# Altium PCB RCJ22_motherboard_2_final.PcbDoc (part 3 of 4) (continued)
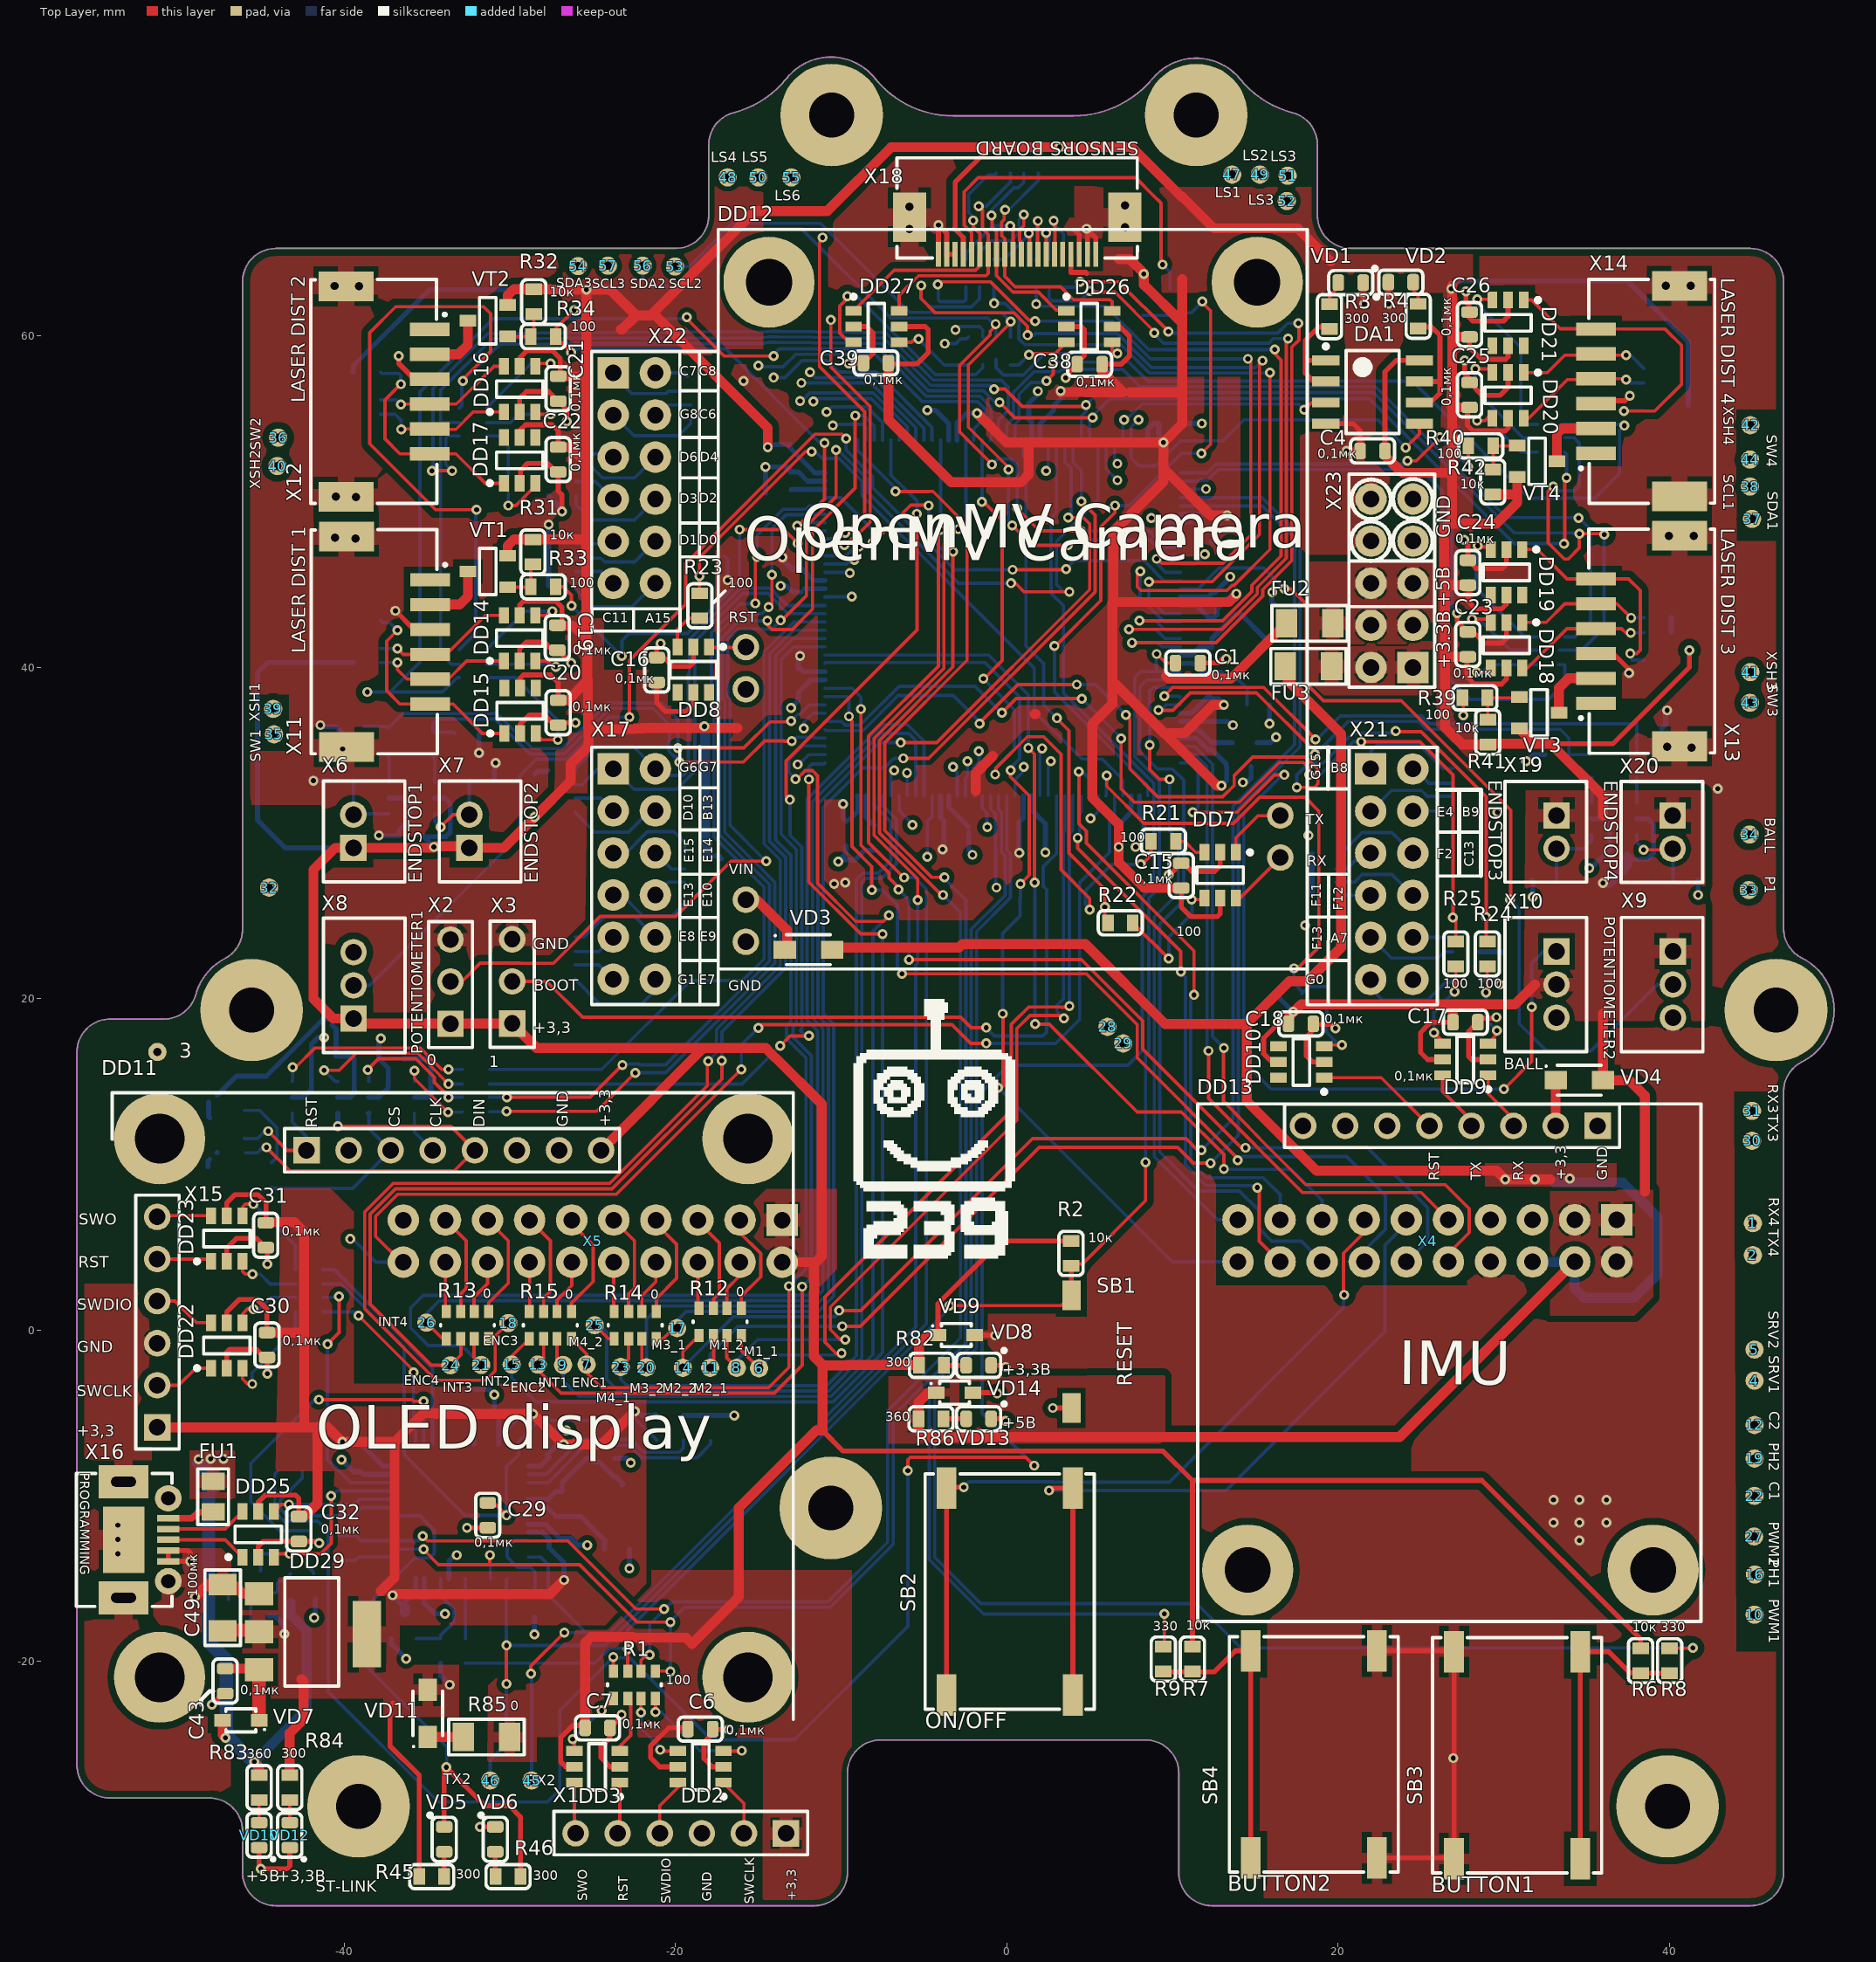
[diagram p0: Top Layer view]
## Nets (pads, with @x,y where several pads share a name; then routed paths per layer and width w, separated by ;. In a path a pad name is that pad's centre, name@x,y a point inside that pad or via, vN(x,y) a via of type N, cw(c..) or ccw(c..) an arc to the next point about the centre after c; other vN are vias at no path point) (continued)
MCU_SPI3_DISPLAY_CS: DD1.103 R20.3 | length 53.7
  Top Layer w0.2: v1(-30.175,14.05) -25.15,14.05 v1(-23.2,16) ; v1@-14.376,43.824 v1(-14.376,43.627) -14.176,43.827 v1(-14.176,45.575)
  Bottom Layer w0.2: R20.3@-31.2,14.05 v1(-30.175,14.05) ; v1(-23.2,16) -23.149,16.051 -22.208,16.051 -22.157,16 -20.585,16 -14.324,22.261 -14.324,26.886 -15.088,27.65 -15.102,27.65 -17.35,29.898 -17.35,30.315 -17.35,37.796 -17.499,37.945 -17.499,41.963 -16.234,43.227 -14.768,43.227 -14.376,43.62 v1(-14.376,43.627) ; v1(-14.176,45.575) -14.176,48.349 -13.325,49.2 -11.995,49.2 -11.97,49.225 DD1.103@-10.975,49.225
MCU_SPI3_DISPLAY_MOSI: DD1.113 R20.2 | length 61.1
  Top Layer w0.2: v1(-13.675,17.15) -13.075,17.75 v1(-11.946,17.75) ; v1(-13.09,32) -13.325,32.235 -13.325,34.335 -5.425,42.235 v1(-5.425,49.25)
  Bottom Layer w0.2: R20.2@-31.2,14.85 -15.975,14.85 v1(-13.675,17.15) ; v1(-13.09,32) -13.09,29.85 -12.374,29.134 -12.374,18.166 -12.469,18.071 -12.148,17.75 v1(-11.946,17.75) ; DD1.113@-7,53.7 -7,51.585 -6.54,51.125 -6.508,51.125 -5.425,50.042 v1(-5.425,49.25)
MCU_SPI3_DISPLAY_RESET: DD1.104 R20.1 | length 53.1
  Top Layer w0.2: v1(-15.176,43.852) -15.176,46.524 -15.075,46.624 v1@-15.101,46.65
  Bottom Layer w0.2: R20.1@-31.2,15.725 -24.45,15.725 -19.08,21.095 -15.949,21.095 -14.649,22.395 -14.649,26.724 -17.675,29.75 -17.675,37.662 -17.824,37.811 -17.824,42.097 -16.096,43.825 -15.325,43.825 -15.127,43.627 -15.075,43.679 -15.176,43.78 v1(-15.176,43.852) ; v1(-15.075,46.65) -15.075,47.95 -13.5,49.525 -12.13,49.525 -11.93,49.725 DD1.104@-10.975,49.725
MCU_SPI3_DISPLAY_SCK: DD1.111 R20.4 | length 63.6
  Top Layer w0.2: v1(-30.2,13.2) -24.751,13.2 v1(-22.425,15.526) ; v1(-14.451,42.802) -14.451,42.553 -14.452,42.552 -14.175,42.275 -12.95,42.275 -11.725,43.5 -11.725,48.225 -9.15,50.8 v1(-9.15,55.178)
  Bottom Layer w0.2: R20.4@-31.2,13.175 -30.225,13.175 v1(-30.2,13.2) ; v1(-22.425,15.526) -20.599,15.526 -13.999,22.126 -13.999,27.021 -14.953,27.975 -14.967,27.975 -17.025,30.033 -17.025,37.931 -17.174,38.08 -17.174,41.801 -16.175,42.8 -14.453,42.8 v1(-14.451,42.802) ; v1(-9.15,55.178) -8.628,55.178 -8,54.55 DD1.111@-8,53.7
MCU_SWCLK: DD1.109 DD24.15 DD24.26 R1.1 | length 116.8
  Top Layer w0.2: v1@-35.175,-13.275 -34.3,-14.15 -31.2,-14.15 ; v1(-31.2,-13.575) -31.2,-14.15 ; R1.1@-21.2,-20.575 -20.325,-20.575 v1(-20.3,-20.6) ; v1(-20.3,-17.625) -22.3,-17.625 -25.775,-14.15 -31.2,-14.15 ; v1(-6.725,50.6) -4.712,50.6 -4.71,50.602 -4.46,50.602 -2.4,48.542 -2.4,40.41 -7.363,35.447 -7.363,30.136 -4.552,27.325 v1(-3.762,27.325)
  Bottom Layer w0.2: DD24.26@-36.965,-13.2 -36.94,-13.225 v1(-35.2,-13.225) ; v1(-31.2,-13.575) -31.165,-13.61 DD24.15@-31.165,-15 ; v1(-20.3,-20.6) v1(-20.3,-17.625) -20.3,-17.575 -19.45,-16.725 -10.665,-16.725 -6.85,-12.91 -6.85,-5.175 -2.475,-0.8 -2.475,25.95 -3.762,27.237 v1(-3.762,27.325) ; DD1.109@-9,53.7 -9,53.075 -6.725,50.8 v1(-6.725,50.6)
MCU_SWDIO: DD1.105 DD24.27 R1.2 R55.1 | length 119.4
  Top Layer w0.2: v1(-35.252,-12.423) -34.95,-12.725 -26.475,-12.725 -22.374,-16.826 v1(-20.676,-16.826) ; R1.2@-22.075,-20.575 -22.075,-19.925 -21.75,-19.6 v1(-21.55,-19.6) ; v1(-8.1,47.53) -8.045,47.53 -5.8,49.775 -4.742,49.775 v1(-4.717,49.75) ; v1(-3.85,26.25) -3.937,26.25 -7.688,30.001 -7.688,35.581 -3.25,40.02 v1(-3.25,46.975)
  Bottom Layer w0.2: R55.1@-40.325,-12.4 -39.275,-12.4 -39,-12.675 -39,-12.7 DD24.27@-36.965,-12.7 -35.53,-12.7 v1(-35.252,-12.423) ; v1(-21.55,-19.6) -21.55,-17.75 -20.2,-16.4 -10.8,-16.4 -7.2,-12.8 -7.2,-4.875 -2.8,-0.475 -2.8,25.2 v1(-3.85,26.25) v1@-4.047,26.25 ; DD1.105@-10.975,50.225 -10.031,50.225 -8.1,48.294 v1(-8.1,47.53) ; v1(-4.717,49.75) -4.717,47.917 -3.775,46.975 v1(-3.25,46.975)
MCU_TRACESWO: DD1.133 R1.4 R48.1 | length 158.2
  Top Layer w0.2: R1.4@-23.75,-20.575 v1(-23.75,-19.725) ; v1(-5.975,-8.475) -5.975,-7.825 -5.825,-7.675 1.15,-7.675 v1(1.65,-8.175)
  Bottom Layer w0.2: R48.1@-44.025,-8.525 -44.175,-8.675 -44.175,-10.975 -43.625,-11.525 -41.597,-11.525 -40.95,-12.172 -40.95,-21.825 -34.3,-28.475 -27.725,-28.475 -26.975,-27.725 -26.975,-22.95 v1(-23.75,-19.725) -23.7,-19.775 -22.775,-19.775 -17.825,-24.725 -12.825,-24.725 -5.975,-17.875 v1(-5.975,-8.475) ; v1(1.65,-8.175) -1.5,-5.025 -1.5,14.392 0.083,15.975 7.306,15.975 8.177,16.846 8.177,26.123 8.875,26.821 8.875,32.98 8.64,33.215 3.425,38.43 3.425,43.7 2.675,44.45 2.675,49 3,49.325 DD1.133@3,53.7
MCU_UART2_STLINK_RX: 45.1 DD1.122 DD24.12 | length 102
  Top Layer w0.2: v1(-28.725,-20.725) -28.725,-20.275 v1(-26.7,-18.25) ; v1(-5.375,25.945) -5.375,27.229 -8.013,29.867 -8.013,35.716 -3.8,39.929 -3.8,47.45 v1(-2.925,48.325)
  Bottom Layer w0.2: DD24.12@-28.865,-13.7 -28.125,-13.7 -27.675,-14.15 -27.675,-15.975 -25.4,-18.25 -23.94,-18.25 ; v1(-28.725,-20.725) -28.675,-20.775 45.1@-28.675,-27.175 ; v1(-26.7,-18.25) -25.42,-18.25 ; -23.926,-18.236 -5.5,0.19 -5.5,22.009 -5.375,22.134 v1(-5.375,25.945) ; v1(-2.925,48.325) -2.475,48.775 -2.475,53.675 DD1.122@-2.5,53.7
MCU_UART2_STLINK_TX: 46.1 DD1.119 DD24.13 | length 103
  Top Layer w0.2: v1(-30.2,-21.35) -30.165,-21.315 -30.2,-21.28 v1(-30.2,-19.025) ; v1(-6.193,27.304) -6.221,27.304 -8.338,29.422 -8.338,35.85 -4.125,40.064 -4.125,47.972 -4.077,48.021 -4.077,48.213 v1(-4,48.29)
  Bottom Layer w0.2: 46.1@-31.175,-27.175 -31.175,-25.925 -30.2,-24.95 v1(-30.2,-21.35) ; DD24.13@-30.165,-15 -30.2,-15.035 v1(-30.2,-19.025) -24.256,-19.025 -4.85,0.38 -4.85,26.592 -5.567,27.309 -6.189,27.309 v1(-6.193,27.304) ; v1(-4,48.29) -4,52.39 DD1.119@-4,53.7
MCU_UART3_GYRO_RX: 31.1 DD1.78 R25.1 | length 84.7
  Top Layer w0.2: v1(-0.3,37.243) 0.557,38.1 v1(4.525,38.1) ; v1(6.9,35.698) 6.9,32.65 7.7,31.85 14.04,31.85 16.44,34.25 17.898,34.25 18.262,33.885 18.25,33.873 v1(18.25,33.5) ; v1(21.387,35.5) 24.925,35.5 26.925,33.5 v1(26.925,24.9) 27.1,24.725 R25.1@27.1,23.45
  Signal Layer 1 w0.2: v1(26.925,24.9) 27.625,25.6 29.175,25.6 31,23.775 31,17.7 33.55,15.15 42.875,15.15 44.8,13.225 31.1@44.975,13.225
  Bottom Layer w0.2: DD1.78@-10.975,36.725 -9.967,36.725 -9.742,36.5 -8.856,36.5 -6.506,38.85 -1.907,38.85 v1(-0.3,37.243) ; v1(4.525,38.1) 6.9,35.725 v1(6.9,35.698) ; v1(18.25,33.5) 18.9,33.5 20.9,35.5 v1(21.387,35.5)
MCU_UART3_GYRO_TX: 30.1 DD1.77 R24.1 | length 90
  Top Layer w0.2: v1(-1.646,36.6) -1.646,36.64 0.664,38.95 v1(4.225,38.95) ; v1(7.185,37.125) 7.425,36.885 7.425,33.85 9.1,32.175 13.026,32.175 13.725,32.874 13.725,33.467 14.833,34.575 18.033,34.575 18.775,33.833 18.775,32.961 18.563,32.75 v1(17.5,32.75) ; v1(23.476,36.152) 23.476,36.149 23.525,36.1 25,36.1 28.925,32.175 v1(28.925,24.925) R24.1@28.925,23.35
  Signal Layer 1 w0.2: v1(28.925,24.925) 30.5,23.35 30.5,17.125 33.025,14.6 41.8,14.6 30.1@44.975,11.425
  Bottom Layer w0.2: DD1.77@-10.975,36.225 -10.925,36.175 -8.675,36.175 -6.563,38.287 -3.237,38.287 -1.55,36.6 v1(-1.646,36.6) ; v1(4.225,38.95) 5.36,38.95 v1(7.185,37.125) ; v1(17.5,32.75) 17.5,33.492 18.233,34.225 19.1,34.225 20.9,36.025 23.25,36.025 23.377,36.152 v1(23.476,36.152)
MCU_UART4_DRIVER_RX: 1.1 DD1.35 X4.9 | length 60.5
  Top Layer w0.2: v1(12.175,16.85) 12.175,13.974 17.849,8.3 25.01,8.3 X4.9@26.651,6.659
  Signal Layer 1 w0.2: X4.9@26.651,6.659 29.768,9.775 41.715,9.775 1.1@45.025,6.465
  Bottom Layer w0.2: DD1.35@10.475,34.725 11.372,34.725 12.085,34.012 12.085,16.94 v1(12.175,16.85) ; 1.1@45.025,6.45 1.1@45.025,6.465
MCU_UART4_DRIVER_TX: 2.1 DD1.34 X4.10 | length 65.8
  Top Layer w0.2: v1@13.075,16.95 13.075,13.814 15.587,11.225 18.037,8.775 26.45,8.775 27.901,7.324 27.901,5.876 26.651,4.626 X4.10@26.651,4.119
  Signal Layer 1 w0.2: X4.10@26.651,4.119 26.651,2.924 28.375,1.2 41.7,1.2 2.1@45.025,4.525
  Bottom Layer w0.2: DD1.34@10.475,35.225 11.331,35.225 12.41,34.147 12.41,17.715 v1(13.1,17.025)
MCU_UART6_CAMERA_RX: 28.1 DD1.124 R21.1 | length 52.6
  Top Layer w0.2: v1@-1.5,50.063 -0.275,48.838 -0.275,40.4 -1.375,39.3 v1(-1.415,39.3) ; v1(-0.7,33.525) -0.648,33.577 -0.648,33.921 1.231,35.8 2.225,35.8 3.275,34.75 3.275,27.775 5,26.05 v1(5,25.365) ; v1(8.075,28.1) 8.15,28.1 8.7,28.65 R21.1@8.7,29.5
  Signal Layer 1 w0.2: v1(5,25.365) 5,19.375 28.1@6.075,18.3
  Bottom Layer w0.2: v1(-1.5,49.975) -1.5,52.6 DD1.124@-1.5,53.7 ; v1(-1.415,39.3) 0.45,37.435 0.45,35.019 -0.7,33.869 v1(-0.7,33.525) ; v1(5,25.365) 5,25.432 4.75,25.682 4.75,26.525 6.325,28.1 v1(8.075,28.1)
MCU_UART6_CAMERA_TX: 29.1 DD1.129 R22.1 | length 40.5
  Top Layer w0.2: v1(3.025,36.925) 3.025,36.9 3.75,36.175 3.75,28.775 5.913,26.612 5.913,24.762 R22.1@6.1,24.575
  Signal Layer 1 w0.2: v1(5.913,25.525) 7.75,23.688 7.75,18.825 7.775,18.8 7.775,18.05 29.1@7.025,17.3
  Bottom Layer w0.2: DD1.129@1,53.7 1,52.776 1.15,52.626 1.15,41.287 2.225,40.212 2.225,37.725 v1(3.025,36.925)
NetC2_2: C2.2 DD1.71 | length 2
  Bottom Layer w0.3: DD1.71@-8.5,32.25 -8.5,30.95 C2.2@-8,30.45
NetC3_2: C3.2 DD1.106 | length 2
  Bottom Layer w0.3: C3.2@-13,50.7 -12.975,50.725 DD1.106@-10.975,50.725
NetC5_2: C5.2 DD1.32 | length 3.4
  Bottom Layer w0.3: DD1.32@10.525,36.225 11.05,36.225 11.539,36.225 11.689,36.075 11.741,36.075 12.366,35.45 C5.2@13.6,35.45
NetC8_2: C8.2 DD1.23 R5.2 Z1.1 | length 7.2
  Bottom Layer w0.3: DD1.23@10.475,40.725 11.151,40.725 11.475,41.049 11.625,41.2 12.375,41.2 12.375,41.725 13.85,43.2 14.075,43.2 14.125,43.2 Z1.1@15.725,41.6
NetC9_2: C9.2 DD1.24 R5.1 Z1.2 | length 5.6
  Bottom Layer w0.2: Z1.2@13.925,39.3 14.5,38.725 C9.2@14.5,37.725
  Bottom Layer w0.3: DD1.24@10.475,40.225 11.275,40.225 11.8,39.7 12.375,39.7 12.875,39.7 13.275,39.3 Z1.2@13.925,39.3
NetC27_1: C27.1 DD24.5 R54.2 Z2.1 | length 7.8
  Bottom Layer w0.3: DD24.5@-28.865,-10.2 -27.675,-10.2 -27.225,-9.75 -26.85,-9.75 -26.85,-9.2 -25.375,-7.725 C27.1@-25.15,-7.725 -25.15,-7.756 -24.952,-7.954 -24.596,-7.954 -23.7,-8.85 -23.6,-8.85 -23.2,-9.25 Z2.1@-23.2,-9.35
NetC28_1: C28.1 DD24.6 R54.1 Z2.2 | length 6
  Bottom Layer w0.3: DD24.6@-28.865,-10.7 -27.725,-10.7 -27.175,-11.25 -26.85,-11.25 -25.7,-11.25 -25.3,-11.65 -24.275,-12.675 C28.1@-24.275,-13.225
NetC43_2: C43.2 DD29.3 VD7.1 | length 5.1
  Top Layer w0.6: C43.2@-47.175,-20.425 DD29.3@-45.2,-20.425
  Top Layer w0.8: DD29.3@-45.2,-20.425 DD29.3@-45.125,-20.5 VD7.1@-45.125,-23.55
NetDD2_1: DD2.1 X1.2 | length 3.6
  Top Layer w0.2: DD2.1@-17.1,-27.3 -17.1,-27.325 -15.865,-28.56 X1.2@-15.865,-30.362
NetDD2_3: DD2.3 R1.8 | length 8.1
  Top Layer w0.2: v1(-21.2,-23.05) R1.8@-21.2,-22.225 ; DD2.3@-17.1,-25.4 -16.025,-25.4 v1(-16,-25.375)
  Bottom Layer w0.2: v1(-21.2,-23.05) -20.85,-23.05 -18.525,-25.375 v1(-16,-25.375)
NetDD2_4: DD2.4 R1.7 | length 4.7
  Top Layer w0.2: v1(-22.075,-23.075) R1.7@-22.075,-22.225 ; v1(-20.925,-25.325) -20.85,-25.4 DD2.4@-19.85,-25.4
  Bottom Layer w0.2: v1(-22.075,-23.075) -22.075,-24.025 -20.925,-25.175 v1(-20.925,-25.325)
NetDD2_6: DD2.6 X1.4 | length 3.5
  Top Layer w0.2: X1.4@-20.945,-30.362 -20.945,-28.695 -19.85,-27.6 DD2.6@-19.85,-27.3
NetDD3_1: DD3.1 X1.5 | length 3.1
  Top Layer w0.2: X1.5@-23.485,-30.362 -23.35,-30.227 DD3.1@-23.35,-27.3
NetDD3_3: DD3.3 R1.6 | length 3.5
  Top Layer w0.2: DD3.3@-23.35,-25.4 -23.35,-25.11 -22.7,-24.46 -22.7,-22.4 R1.6@-22.875,-22.225
NetDD3_4: DD3.4 R1.5 | length 4.2
  Top Layer w0.2: v1(-26.2,-24.675) -26.1,-24.775 DD3.4@-26.1,-25.4 ; v1(-24.45,-22.95) -23.75,-22.25 R1.5@-23.75,-22.225
  Bottom Layer w0.2: v1(-26.2,-24.675) -24.475,-22.95 v1(-24.45,-22.95)
NetDD3_6: DD3.6 X1.6 | length 3.1
  Top Layer w0.2: DD3.6@-26.1,-27.3 -26.1,-30.288 X1.6@-26.025,-30.362
NetDD4_1: DD4.1 R10.2 X6.2 | length 4.3
  Bottom Layer w0.2: R10.2@-39.45,33.175 -39.438,33.163 X6.2@-39.438,31.1 -39.388,31.15 DD4.1@-37.275,31.15
NetDD4_3: DD4.3 R16.1 | length 1.5
  Bottom Layer w0.2: R16.1@-37.325,34.575 -37.275,34.525 DD4.3@-37.275,33.05
NetDD4_4: DD4.4 R17.1 | length 1.6
  Bottom Layer w0.2: R17.1@-34.625,34.575 -34.525,34.475 DD4.4@-34.525,33.05
NetDD4_6: DD4.6 R11.2 X7.2 | length 5.1
  Top Layer w0.2: v1(-34.175,30.35) -33.425,31.1 X7.2@-32.437,31.1
  Bottom Layer w0.2: DD4.6@-34.525,31.15 -34.525,30.7 v1(-34.175,30.35) ; X7.2@-32.437,31.1 -32.437,33.163 R11.2@-32.425,33.175
NetDD5_1: DD5.1 DD11.3 R28.3 | length 7
  Top Layer w0.2: v1(-44.575,12) -43.425,10.85 DD11.3@-42.265,10.85
  Bottom Layer w0.2: R28.3@-46.025,11.575 -46,11.55 -45.225,11.55 -44.775,12 v1(-44.575,12) ; DD5.1@-43.125,13.1 -43.125,12.55 -42.265,11.69 DD11.3@-42.265,10.85
NetDD5_3: DD5.3 R20.8 | length 12.1
  Top Layer w0.2: v1(-43.1,15.858) -42.917,15.858 -41.75,17.025 -35.405,17.025 -34.105,15.725 v1(-33.7,15.725)
  Bottom Layer w0.2: DD5.3@-43.125,15 -43.1,15.025 v1(-43.1,15.858) ; v1(-33.7,15.725) R20.8@-32.85,15.725
NetDD5_4: DD5.4 R20.7 | length 10.7
  Top Layer w0.2: v1(-41.21,15.675) -40.3,15.675 -39.275,16.7 -35.54,16.7 -34.225,15.385 -34.225,15.375 v1(-33.7,14.85)
  Bottom Layer w0.2: v1(-41.21,15.675) -40.535,15 DD5.4@-40.375,15 ; v1(-33.7,14.85) R20.7@-32.85,14.85
NetDD5_6: DD5.6 DD11.4 R28.4 | length 24.7
  Top Layer w0.2: v1(-44.685,11.025) -43.26,9.6 -33.355,9.6 DD11.4@-32.105,10.85 -33.555,12.3 v1(-40.375,12.3)
  Bottom Layer w0.2: R28.4@-45.925,10.7 -45.225,10.7 -44.9,11.025 v1(-44.685,11.025)
  Bottom Layer w0.3: v1(-40.375,12.3) DD5.6@-40.375,13.1
NetDD6_1: DD6.1 DD11.6 R27.1 | length 11
  Bottom Layer w0.2: R27.1@-44.375,8.6 -44.325,8.55 -39.485,8.55 DD11.6@-37.185,10.85 -38.5,12.165 DD6.1@-38.5,13.1
  Bottom Layer w0.3: DD6.1@-38.535,13.065 DD6.1@-38.5,13.1
NetDD6_3: DD6.3 R20.6 | length 8
  Top Layer w0.2: v1@-38.452,15.526 -38.452,15.848 -37.925,16.375 -35.674,16.375 -34.55,15.251 -34.55,14.958 -33.75,14.158 v1@-33.75,14.05
  Bottom Layer w0.2: v1@-38.577,15.651 -38.5,15.574 DD6.3@-38.5,15 ; v1@-33.75,14.05 v1(-33.7,14.05) R20.6@-32.85,14.05
  other v1: -38.577,15.701
NetDD6_4: DD6.4 R20.5 | length 4.9
  Top Layer w0.2: v1(-35.752,15.651) -35.752,15.177 v1(-33.725,13.15)
  Bottom Layer w0.2: v1(-35.752,15.651) -35.752,15.002 DD6.4@-35.75,15 ; v1(-33.725,13.15) -32.875,13.15 R20.5@-32.85,13.175
NetDD6_6: DD6.6 DD11.5 | length 2.9
  Bottom Layer w0.2: DD6.6@-35.75,13.1 -35.75,11.955 DD11.5@-34.645,10.85
  Bottom Layer w0.3: DD11.5@-34.645,10.85 DD11.5@-34.645,10.995
NetDD7_1: DD7.1 DD12.1 | length 4.1
  Top Layer w0.2: DD7.1@13.825,28.825 13.825,29.71 15.15,31.035 DD12.1@16.504,31.035
NetDD7_3: DD7.3 R21.2 | length 2
  Top Layer w0.2: R21.2@10.2,29.475 10.75,29.475 11.4,28.825 DD7.3@11.925,28.825
NetDD7_4: DD7.4 R22.2 | length 8
  Top Layer w0.2: R22.2@7.6,24.575 9.75,22.425 v1(9.775,22.425) ; v1(11.15,25.97) 11.159,25.979 11.829,25.979 DD7.4@11.925,26.075
  Bottom Layer w0.2: v1(9.775,22.425) 9.775,23.725 11.175,25.125 11.175,25.945 v1(11.15,25.97)
NetDD7_6: DD7.6 DD12.2 | length 3.7
  Top Layer w0.2: DD7.6@13.825,26.075 14.084,26.075 DD12.2@16.504,28.495
NetDD8_1: DD8.1 DD12.3 | length 2.2
  Top Layer w0.2: DD8.1@-17.975,41.225 -17.945,41.195 DD12.3@-15.754,41.195
NetDD8_3: DD8.3 R23.2 | length 2.7
  Top Layer w0.2: DD8.3@-19.875,41.225 -19.875,42.275 -19.2,42.95 R23.2@-18.525,42.95
NetDD9_1: DD9.1 DD13.3 | length 3.7
  Top Layer w0.2: DD9.1@29.05,15.375 29.05,14.275 30.58,12.745 DD13.3@30.58,12.325
NetDD9_3: DD9.3 R24.2 | length 5.2
  Top Layer w0.2: v1(28.925,20.375) 29,20.45 R24.2@29,21.95 ; DD9.3@29.05,17.275 29.025,17.3 29.575,17.85 v1(29.575,18.075)
  Bottom Layer w0.2: v1(28.925,20.375) 28.925,18.725 v1(29.575,18.075)
NetDD9_4: DD9.4 R25.2 | length 5.6
  Top Layer w0.2: v1(25.775,17.95) 26.3,17.425 DD9.4@26.3,17.275 ; v1@27.025,20.225 27.026,20.226 v1(27.026,20.426) 27.1,20.5 R25.2@27.1,21.95
  Bottom Layer w0.2: v1(25.775,17.95) 25.775,19.175 v1(27.026,20.426)
NetDD9_6: DD9.6 DD13.4 | length 3.8
  Top Layer w0.2: DD9.6@26.3,15.375 26.3,14.4 28.04,12.66 DD13.4@28.04,12.325
NetDD10_1: DD10.1 DD13.5 | length 7.6
  Top Layer w0.2: DD10.1@19.15,15.225 22.6,15.225 DD13.5@25.5,12.325
NetDD10_3: DD10.3 R26.2 | length 3.8
  Top Layer w0.2: DD10.3@19.15,17.125 19.225,17.2 v1(20.225,17.2)
  Bottom Layer w0.2: R26.2@19.325,19.225 19.3,19.2 19.3,17.95 19.975,17.275 20.3,17.275 v1(20.225,17.2)
NetDD12_5: DD12.5 VD3.1 | length 4.1
  Top Layer w0.6: DD12.5@-15.749,25.97 -15.095,25.97 -13.25,24.125 -13.25,23.35 VD3.1@-13.3,23.3
NetDD13_2: DD13.2 VD4.1 | length 2.8
  Top Layer w0.6: DD13.2@33.12,12.325 33.12,15.07 VD4.1@33.125,15.075
NetDD14_1: DD14.1 R29.4 X11.5 | length 8.6
  Top Layer w0.2: v1(-36.775,40.275) -36.775,39.85 -36.2,39.275 X11.5@-34.8,39.275 -33.7,39.275 -32.6,40.375 DD14.1@-30.35,40.375
  Bottom Layer w0.2: R29.4@-37.8,40.275 v1(-36.775,40.275)
NetDD14_3: DD14.3 R35.2 | length 5.6
  Top Layer w0.2: DD14.3@-28.45,40.375 -27.749,40.375 -27.399,40.025 v1(-27.225,40.025)
  Bottom Layer w0.2: R35.2@-31.4,40.175 -27.375,40.175 v1(-27.225,40.025)
NetDD14_4: DD14.4 R35.1 | length 6.1
  Top Layer w0.2: DD14.4@-28.476,43.099 DD14.4@-28.45,43.125 -27.803,43.125 -27.553,43.375 v1(-27.425,43.375)
  Bottom Layer w0.2: R35.1@-31.4,41.05 -29.075,43.375 v1(-27.425,43.375)
NetDD14_6: DD14.6 R29.3 X11.4 | length 8.4
  Top Layer w0.2: v1(-36.775,41.125) -36.425,40.775 X11.4@-34.8,40.775 ; X11.4@-34.475,40.91 -34.475,40.775 -33.825,40.775 -31.475,43.125 DD14.6@-30.35,43.125
  Bottom Layer w0.2: R29.3@-37.8,41.15 -37.775,41.125 v1(-36.775,41.125)
NetDD15_1: DD15.1 R29.1 X11.6 | length 13.3
  Top Layer w0.2: v1(-36.775,42.225) -37.425,41.575 -37.425,38.575 -36.625,37.775 X11.6@-34.8,37.775 -33.425,37.775 -31.65,36 DD15.1@-30.325,36
  Bottom Layer w0.2: R29.1@-37.8,42.825 -37.663,42.688 -37.238,42.688 v1@-36.787,42.237
NetDD15_3: DD15.3 R35.3 | length 8
  Top Layer w0.2: DD15.3@-28.425,36 -28.039,35.614 v1(-27.1,35.614)
  Bottom Layer w0.2: R35.3@-31.4,39.375 -29.675,39.375 -27.5,37.2 -27.501,37.199 -27.1,36.797 v1(-27.1,35.614)
NetDD16_1: DD16.1 R30.4 X12.5 | length 8.6
  Top Layer w0.2: v1(-36.55,54.35) -36.525,54.375 X12.5@-34.825,54.375 ; X12.5@-34.825,54.35 -33.25,54.35 -32.2,55.4 DD16.1@-30.35,55.4
  Bottom Layer w0.2: R30.4@-37.8,55.25 -36.91,55.25 -36.55,54.89 v1(-36.55,54.35)
NetDD16_3: DD16.3 R36.2 | length 5.1
  Top Layer w0.2: DD16.3@-28.45,55.4 -28.303,55.253 v1(-27.526,55.253)
  Bottom Layer w0.2: R36.2@-31.4,54.75 -29.954,54.75 -29.451,55.253 v1(-27.526,55.253)
NetDD16_4: DD16.4 R36.1 | length 6
  Top Layer w0.2: DD16.4@-28.45,58.15 -28.272,58.328 v1(-27.526,58.328)
  Bottom Layer w0.2: R36.1@-31.4,55.625 -28.697,58.328 v1(-27.526,58.328)
NetDD16_6: DD16.6 R30.3 X12.4 | length 8.5
  Top Layer w0.2: v1(-36.575,55.85) -36.55,55.875 X12.4@-34.825,55.875 -33.225,55.875 -30.95,58.15 DD16.6@-30.35,58.15
  Bottom Layer w0.2: R30.3@-37.8,56.125 -36.85,56.125 v1(-36.575,55.85)
NetDD17_1: DD17.1 R30.1 X12.6 | length 13.8
  Top Layer w0.2: v1(-36.575,57.075) -37.525,56.125 -37.525,53.775 -36.625,52.875 X12.6@-34.825,52.875 -33.25,52.875 -31.475,51.1 DD17.1@-30.35,51.1
  Bottom Layer w0.2: R30.1@-37.8,57.8 -37.717,57.717 -36.692,57.717 -36.575,57.6 v1(-36.575,57.075)
NetDD17_3: DD17.3 R36.3 | length 7.5
  Top Layer w0.2: v1(-30.09,49.75) -29.632,49.75 -28.45,50.932 DD17.3@-28.45,51.1
  Bottom Layer w0.2: R36.3@-31.4,53.95 -30.7,53.95 -30.09,53.34 v1(-30.09,49.75)
NetDD18_1: DD18.1 R43.4 X13.5 | length 8.2
  Top Layer w0.2: DD18.1@31.1,42.7 32.55,42.7 33.675,43.825 X13.5@35.55,43.825 36.825,43.825 v1(37.675,42.975)
  Bottom Layer w0.2: v1(37.675,42.975) R43.4@38.45,42.975
NetDD18_3: DD18.3 R37.2 | length 6
  Top Layer w0.2: v1(28.075,42.9) 28.95,42.9 29.175,42.675 DD18.3@29.2,42.7
  Bottom Layer w0.2: v1(28.075,42.9) 28.5,42.9 30.375,41.025 R37.2@32.025,41.025
NetDD18_4: DD18.4 R37.1 | length 4.8
  Top Layer w0.2: v1(28.35,39.7) 28.95,39.7 DD18.4@29.2,39.95
  Bottom Layer w0.2: v1(28.35,39.7) 28.7,39.7 29.15,40.15 R37.1@32.025,40.15
NetDD18_6: DD18.6 R43.3 X13.4 | length 8.4
  Top Layer w0.2: DD18.6@31.1,39.95 31.425,39.95 33.8,42.325 X13.4@35.55,42.325 37.1,42.325 37.35,42.075 v1(37.65,42.075)
  Bottom Layer w0.2: v1(37.65,42.075) 38.425,42.075 R43.3@38.45,42.1
NetDD19_1: DD19.1 R43.1 X13.6 | length 13.6
  Top Layer w0.2: DD19.1@31.1,47.1 32.025,47.1 33.8,45.325 X13.6@35.55,45.325 37.525,45.325 38.225,44.625 38.225,41.025 38.025,40.825 v1(37.625,40.825)
  Bottom Layer w0.2: v1(37.625,40.825) 37.702,40.748 37.702,40.466 37.742,40.425 R43.1@38.45,40.425
NetDD19_3: DD19.3 R37.3 | length 8.3
  Top Layer w0.2: v1@28.325,47.25 29.05,47.25 DD19.3@29.2,47.1
  Bottom Layer w0.2: v1@28.325,47.25 28.325,44.775 31.275,41.825 R37.3@32.025,41.825
  other v1: 28.425,47.325
NetDD20_1: DD20.1 R44.4 X14.5 | length 8
  Top Layer w0.2: DD20.1@31.2,57.775 32.625,57.775 33.675,58.825 X14.5@35.55,58.825 ; X14.5@35.55,58.9 35.625,58.825 v1(37.375,58.825)
  Bottom Layer w0.2: v1(37.375,58.825) 37.65,58.825 R44.4@38.45,58.025
NetDD20_3: DD20.3 R38.2 | length 7.3
  Top Layer w0.2: v1(28.275,58) 29.075,58 DD20.3@29.3,57.775
  Bottom Layer w0.2: v1(28.275,58) 28.275,56.725 31.15,53.85 R38.2@32.025,53.85
NetDD20_4: DD20.4 R38.1 | length 5.5
  Top Layer w0.2: v1(28.376,54.878) 28.853,54.878 29.15,55.175 DD20.4@29.3,55.025
  Bottom Layer w0.2: v1(28.376,54.878) 29.122,54.878 31.025,52.975 R38.1@32.025,52.975
NetDD20_6: DD20.6 R44.3 X14.4 | length 8.3
  Top Layer w0.2: DD20.6@31.2,55.025 31.5,55.025 33.825,57.35 X14.4@35.55,57.35 ; X14.4@35.55,57.4 37.325,57.4 v1(37.375,57.35)
  Bottom Layer w0.2: v1(37.375,57.35) 37.575,57.15 R44.3@38.45,57.15
NetDD21_1: DD21.1 R44.1 X14.6 | length 18.3
  Top Layer w0.2: DD21.1@31.2,62.15 31.675,62.15 33.4,60.425 X14.6@35.55,60.425 ; X14.6@35.55,60.4 39.733,60.4 40.725,59.408 40.725,57.075 39.1,55.45 v1(37.25,55.45)
  Bottom Layer w0.2: v1(37.25,55.45) 37.475,55.45 37.5,55.475 R44.1@38.45,55.475
NetDD21_3: DD21.3 R38.3 | length 10.4
  Top Layer w0.2: v1(28.4,62.2) 29.25,62.2 DD21.3@29.3,62.15
  Bottom Layer w0.2: v1(28.4,62.2) 28.4,61.9 31.025,59.275 31.025,54.966 31.341,54.65 R38.3@32.025,54.65
NetDD22_1: DD22.1 X15.2 | length 3.7
  Top Layer w0.2: X15.2@-51.275,-3.33 -49.98,-3.33 -48.95,-2.3 DD22.1@-48.025,-2.3
NetDD22_3: DD22.3 R47.1 | length 6.6
  Top Layer w0.2: DD22.3@-46.125,-2.3 -46.125,-2.95 -45.825,-3.25 v1(-45.534,-3.25)
  Bottom Layer w0.2: v1@-45.55,-3.05 -45.55,-2.575 -42.925,0.05 R47.1@-42.925,1.1
NetDD22_4: DD22.4 R47.2 | length 4.1
  Top Layer w0.2: DD22.4@-46.125,0.45 -46.125,0.971 -45.821,1.275 v1(-45.472,1.275)
  Bottom Layer w0.2: v1(-45.472,1.275) -45.1,1.275 -44.4,1.975 R47.2@-42.925,1.975
NetDD22_6: DD22.6 X15.4 | length 3.8
  Top Layer w0.2: X15.4@-51.275,1.75 -50.201,1.75 -48.901,0.45 DD22.6@-48.025,0.45
NetDD23_1: DD23.1 X15.5 | length 3.3
  Top Layer w0.2: X15.5@-51.275,4.29 -48.165,4.29 DD23.1@-48.025,4.15
NetDD23_3: DD23.3 R47.3 | length 4.1
  Top Layer w0.2: DD23.3@-46.125,4.15 -46.125,3.55 -45.95,3.375 v1(-45.525,3.375)
  Bottom Layer w0.2: v1(-45.525,3.375) -45.05,3.375 -44.45,2.775 R47.3@-42.925,2.775
NetDD23_4: DD23.4 R47.4 | length 6.3
  Top Layer w0.2: DD23.4@-46.125,6.9 -46.125,7.425 -45.95,7.6 v1(-45.475,7.6)
  Bottom Layer w0.2: v1(-45.475,7.6) -45.425,7.6 -42.925,5.1 R47.4@-42.925,3.65
NetDD23_6: DD23.6 X15.6 | length 3.3
  Top Layer w0.2: X15.6@-51.275,6.83 -51.205,6.9 DD23.6@-48.025,6.9
NetDD24_2: DD24.2 R51.2 | length 11.1
  Bottom Layer w0.2: DD24.2@-28.865,-8.7 -27.808,-8.7 -26.225,-7.117 -26.225,-7.1 -25.725,-6.6 -22.675,-6.6 -21.9,-7.375 -19.775,-7.375 -19.525,-7.125 R51.2@-19.525,-6.65
NetDD24_3: DD24.3 R50.2 | length 12.8
  Bottom Layer w0.2: DD24.3@-28.865,-9.2 -27.685,-9.2 -25.725,-7.24 -25.725,-7.234 -25.491,-7 -25.485,-7 -25.435,-6.95 -22.785,-6.95 -22.035,-7.7 -18.7,-7.7 -17.875,-6.875 R50.2@-17.875,-6.675
NetDD24_10: DD24.10 R53.1 | length 5.4
  Bottom Layer w0.2: DD24.10@-28.865,-12.7 -29.75,-12.7 -30.15,-13.1 -30.15,-13.695 -29.52,-14.325 -28.724,-14.325 -28.476,-14.573 R53.1@-28.476,-15.85
NetDD24_18: DD24.18 R59.1 | length 3.6
  Bottom Layer w0.2: R59.1@-32.675,-18.6 -32.665,-18.59 DD24.18@-32.665,-15
NetDD24_21: DD24.21 R56.2 R57.1 | length 5.7
  Bottom Layer w0.2: R57.1@-35.65,-18.625 -35.625,-18.6 R56.2@-34.175,-18.6 -34.175,-18.425 -33.375,-17.625 -33.375,-16.84 -34.165,-16.05 DD24.21@-34.165,-15
NetDD24_25: DD24.25 R55.2 | length 3.4
  Bottom Layer w0.2: R55.2@-40.325,-13.9 -39.325,-13.9 -39.125,-13.7 DD24.25@-36.965,-13.7
NetDD24_31: DD24.31 R48.2 | length 10.1
  Bottom Layer w0.2: R48.2@-42.525,-8.525 -42.525,-8.933 -43.85,-10.258 -43.85,-10.792 -43.442,-11.2 -39.416,-11.2 -38.916,-10.7 DD24.31@-36.965,-10.7
NetDD24_44: DD24.44 R52.2 | length 1.8
  Bottom Layer w0.3: DD24.44@-32.165,-6.9 -32.165,-5.115 R52.2@-32.125,-5.075
NetDD26_1: DD26.1 R63.2 X18.13 | length 12.4
  Top Layer w0.2: v1(-0.925,67.25) -0.89,67.215 -0.89,66.55 -0.625,66.285 X18.13@-0.625,64.91 -0.625,63.615 0.365,62.625 1.9,62.625 2.975,61.55 3.55,61.55 DD26.1@3.6,61.5
  Bottom Layer w0.2: v1(-0.925,67.25) -0.925,67.575 0.425,68.925 0.7,68.925 1.025,69.25 R63.2@1.025,69.8
NetDD26_3: DD26.3 R70.5 | length 3.9
  Top Layer w0.2: v1(1.34,58.85) 1.418,58.928 2.928,58.928 DD26.3@3.6,59.6
  Bottom Layer w0.2: R70.5@0.225,58.235 0.725,58.235 v1(1.34,58.85)
NetDD26_4: DD26.4 R70.6 | length 9.5
  Top Layer w0.2: DD26.4@6.35,59.6 6.35,59.1 6.6,58.85 6.675,58.925 v1(6.675,58.928)
  Bottom Layer w0.2: R70.6@-0.65,58.575 R70.6@-0.65,58.275 -0.65,58.075 -0.203,57.628 0.993,57.628 2.293,58.928 v1(6.675,58.928)
NetDD26_6: DD26.6 R63.1 X18.12 | length 15
  Top Layer w0.2: v1(-0.1,67.6) -0.161,67.539 -0.161,67 -0.315,66.846 -0.315,66.411 -0.3,66.395 -0.3,66.036 -0.125,65.861 X18.12@-0.125,64.91 -0.125,63.575 0.5,62.95 3.25,62.95 4.028,62.172 6.23,62.172 6.35,62.052 DD26.6@6.35,61.5
  Bottom Layer w0.2: v1(-0.1,67.6) 0.124,67.6 1.9,69.376 R63.1@1.9,69.8
NetDD27_1: DD27.1 R63.4 X18.15 | length 15.5
  Top Layer w0.2: DD27.1@-9.25,61.5 -6.805,63.945 -1.882,63.945 -1.675,64.152 -1.675,64.785 -1.625,64.835 -1.625,66.165 -2.025,66.565 v1(-2.025,66.95)
  Bottom Layer w0.2: v1(-2.025,66.95) -2.102,67.027 -2.102,67.226 -2.3,67.425 -2.3,68.524 -1.133,69.692 -0.758,69.692 R63.4@-0.65,69.8
NetDD27_3: DD27.3 R70.7 | length 13.6
  Top Layer w0.2: v1(-9.625,62.375) -9.625,62.243 -10.075,61.793 -10.075,60.15 DD27.3@-9.575,59.65
  Bottom Layer w0.2: v1(-9.625,62.375) -9.607,62.356 -9.025,62.356 -4.322,57.653 -3.909,57.653 -3.907,57.65 -1.875,57.65 -1.45,58.075 R70.7@-1.45,58.275
NetDD27_4: DD27.4 R70.8 | length 4.6
  Top Layer w0.2: DD27.4@-6.15,59.65 -6.1,59.6 -5.767,59.6 -5.652,59.715 -5.401,59.715 v1(-5.324,59.791)
  Bottom Layer w0.2: v1(-5.324,59.791) -3.767,58.235 -2.365,58.235 R70.8@-2.325,58.275
NetDD27_6: DD27.6 R63.3 X18.14 | length 14.2
  Top Layer w0.2: DD27.6@-6.5,61.5 -6.5,62.442 -5.322,63.62 -1.255,63.62 -1.125,63.75 -1.125,66.125 -1.472,66.472 -1.472,67.575 v1(-1.7,67.803)
  Bottom Layer w0.2: v1(-1.7,67.803) -1.253,67.803 -1.25,67.8 0.225,69.275 R63.3@0.225,69.8
NetDD28_1: DD28.1 R80.2 X19.2 | length 4.6
  Bottom Layer w0.2: R80.2@33.175,27.15 X19.2@33.175,29.05 34.8,29.05 35.275,29.525 DD28.1@35.275,29.9
NetDD28_3: DD28.3 R72.1 | length 1.6
  Bottom Layer w0.2: DD28.3@35.275,31.8 35.3,31.825 R72.1@35.3,33.35
NetDD28_4: DD28.4 R73.1 | length 1.6
  Bottom Layer w0.2: DD28.4@38.025,31.8 R73.1@38.025,33.35
NetDD28_6: DD28.6 R81.2 X20.2 | length 4.9
  Top Layer w0.2: v1(38.425,28.975) 39.898,28.975 40.073,29.15 X20.2@40.178,29.045
  Bottom Layer w0.2: DD28.6@38.025,29.9 38.025,29.425 38.425,29.025 v1(38.425,28.975) ; X20.2@40.178,29.045 40.2,29.023 R81.2@40.2,27.15
NetFU1_2: FU1.2 X16.1 | length 2.8
  Top Layer w0.4: X16.1@-50.558,-11.35 -49.175,-11.35 -48.8,-10.975 FU1.2@-47.9,-10.975
NetFU2_1: FU2.1 X23.3 X23.4 X23.5 X23.6 | length 0.2
  Top Layer w1.2: X23.3@24.39,42.65 X23.3@24.515,42.525
NetFU3_1: FU3.1 X23.1 X23.2 | length 0.1
  Top Layer w0.6: X23.1@24.45,40.05 X23.1@24.515,39.985
NetR3_1: R3.1 VD1.2 | length 1.5
  Top Layer w0.2: R3.1@19.475,61.9 19.475,62.388 20.007,62.92 VD1.2@20.007,63.2
NetR4_1: R4.1 VD2.2 | length 1.4
  Top Layer w0.2: VD2.2@24.525,63.225 24.525,62.721 24.825,62.421 R4.1@24.825,61.925